# Altium PCB FMC_ADC_250M_16B_4ch_pcb.PcbDoc (part 1 of 8)
Units mm, origin at the board's own origin, x right, y up, seen from the top; angles counter-clockwise.
Board outline 76.75 x 69 mm, 8 copper layers (Top Layer, GND(SMAGND), L3, GND, L5, GND (Plane2), Power, Bottom Layer), stack 1.363 mm thick; 374 components, 427 nets, 2157 pads, 1340 vias.
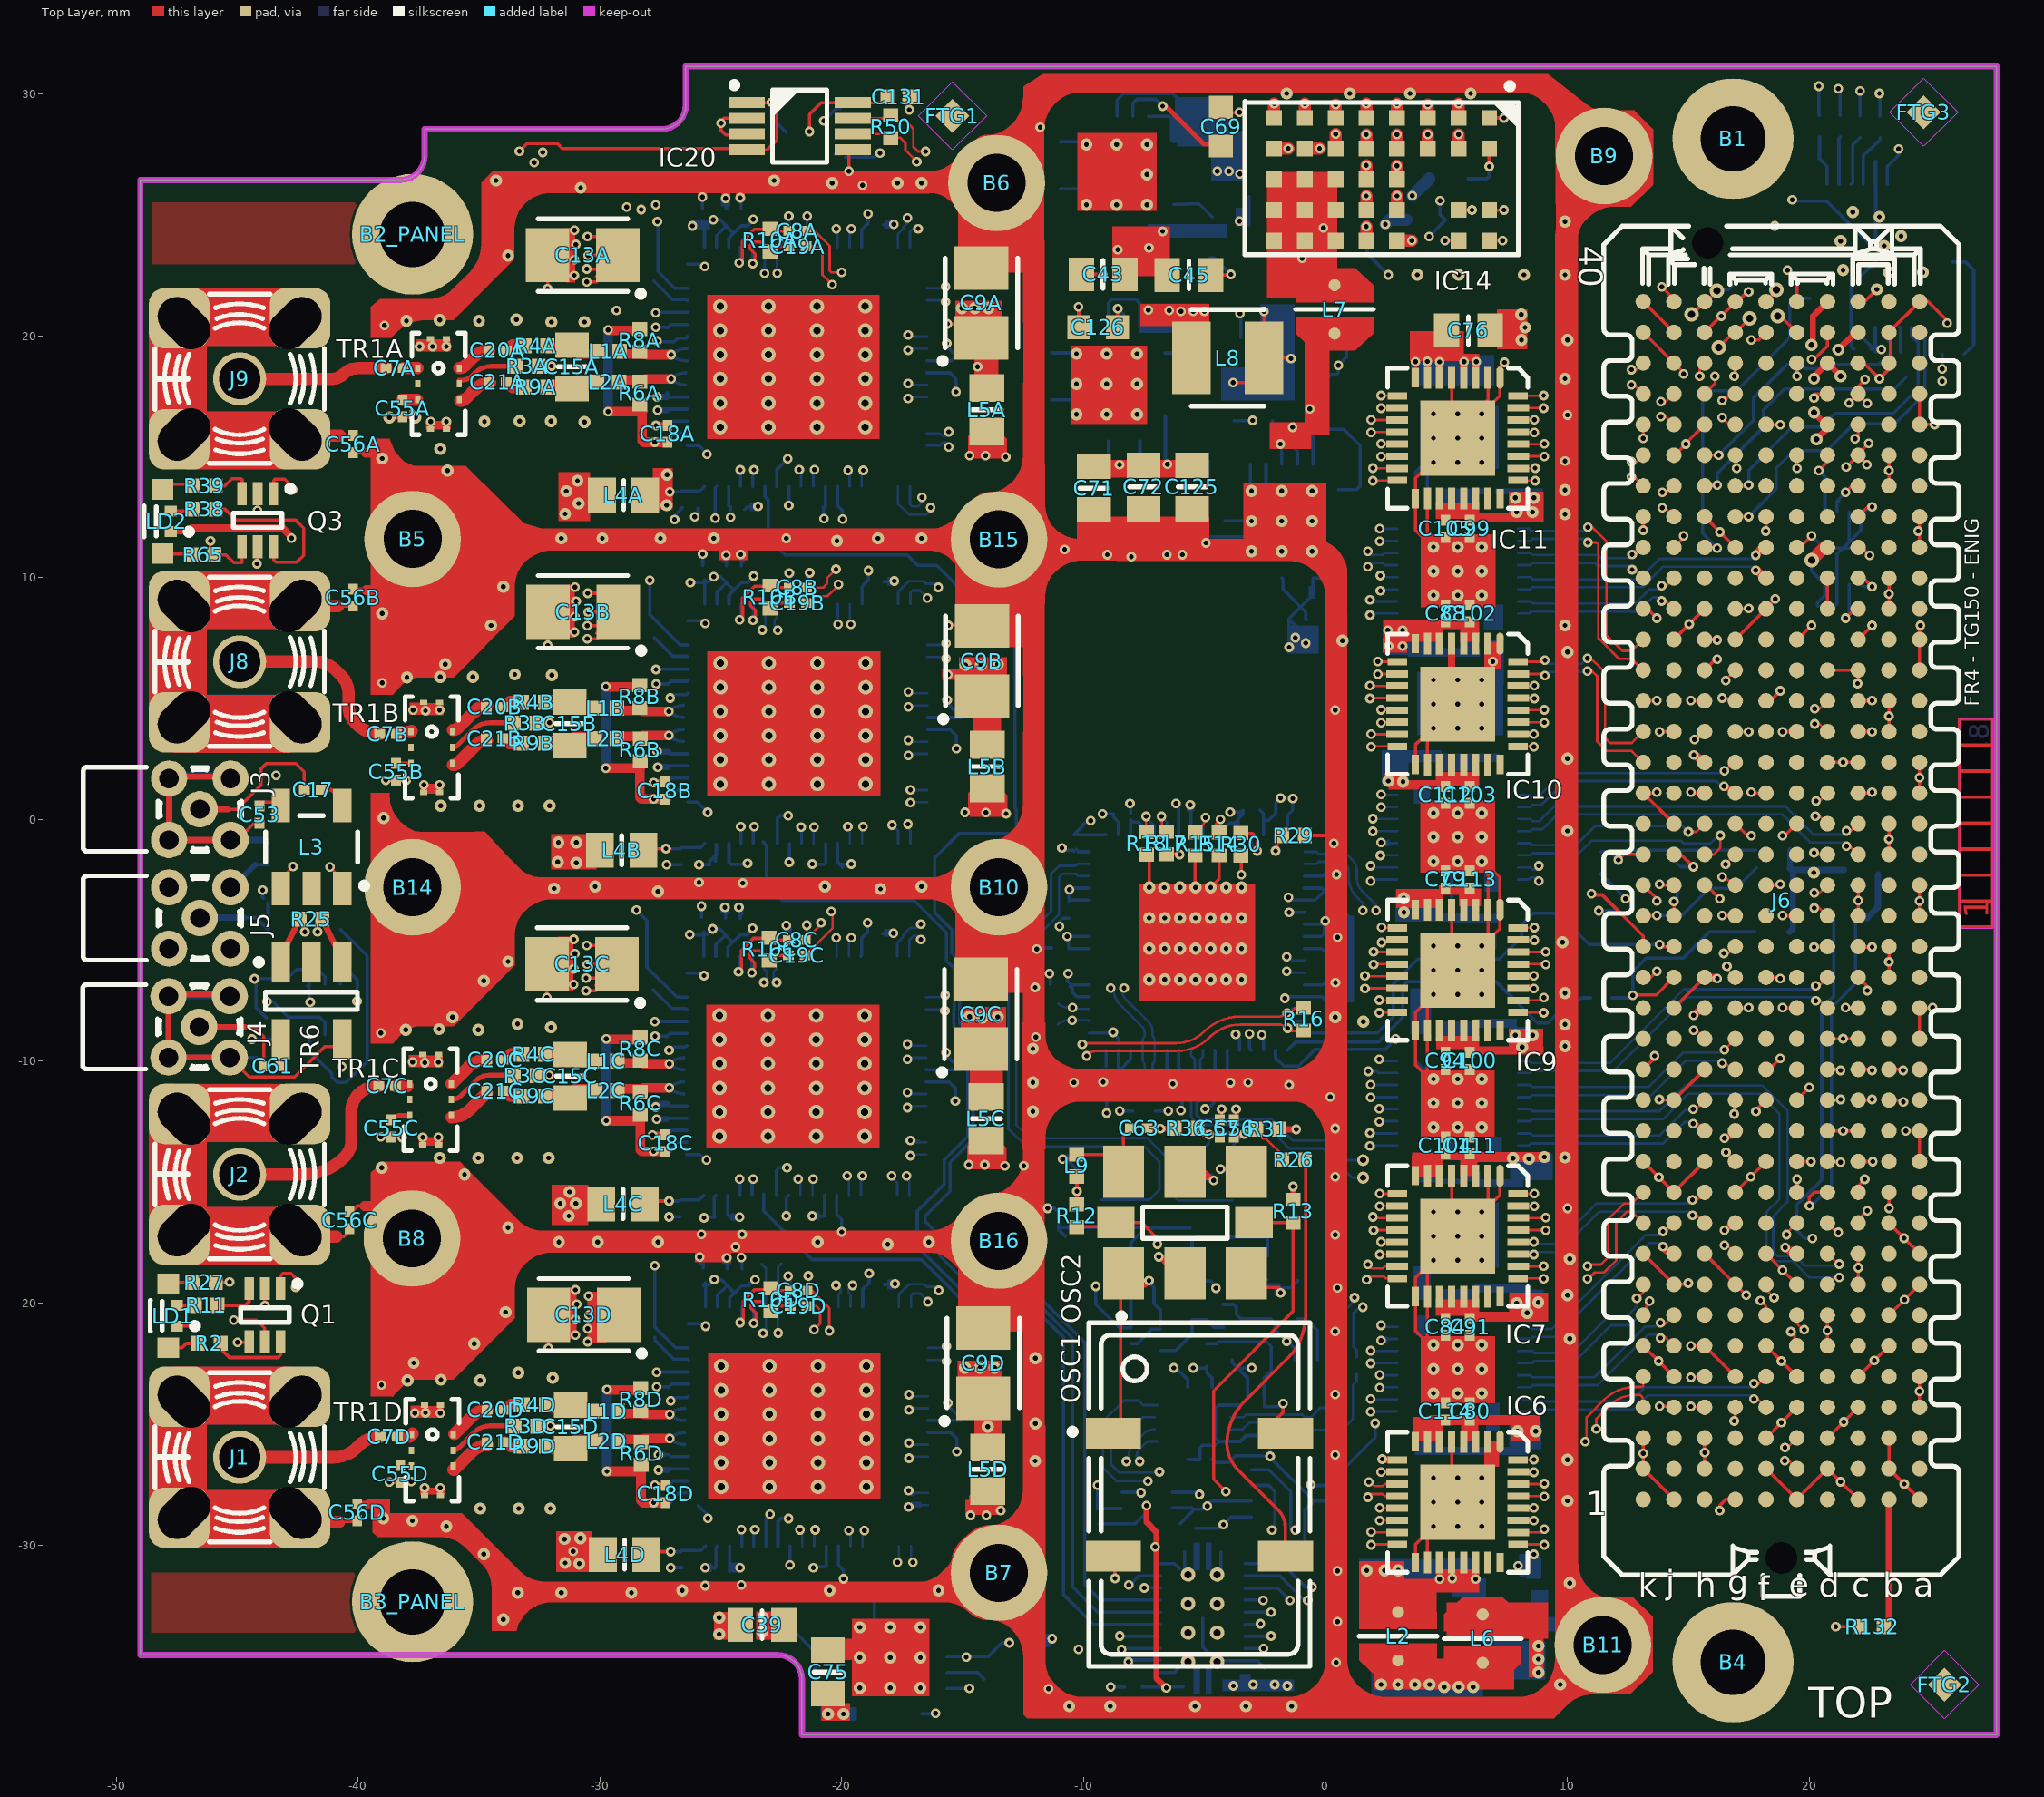
[diagram p0: Top Layer view]
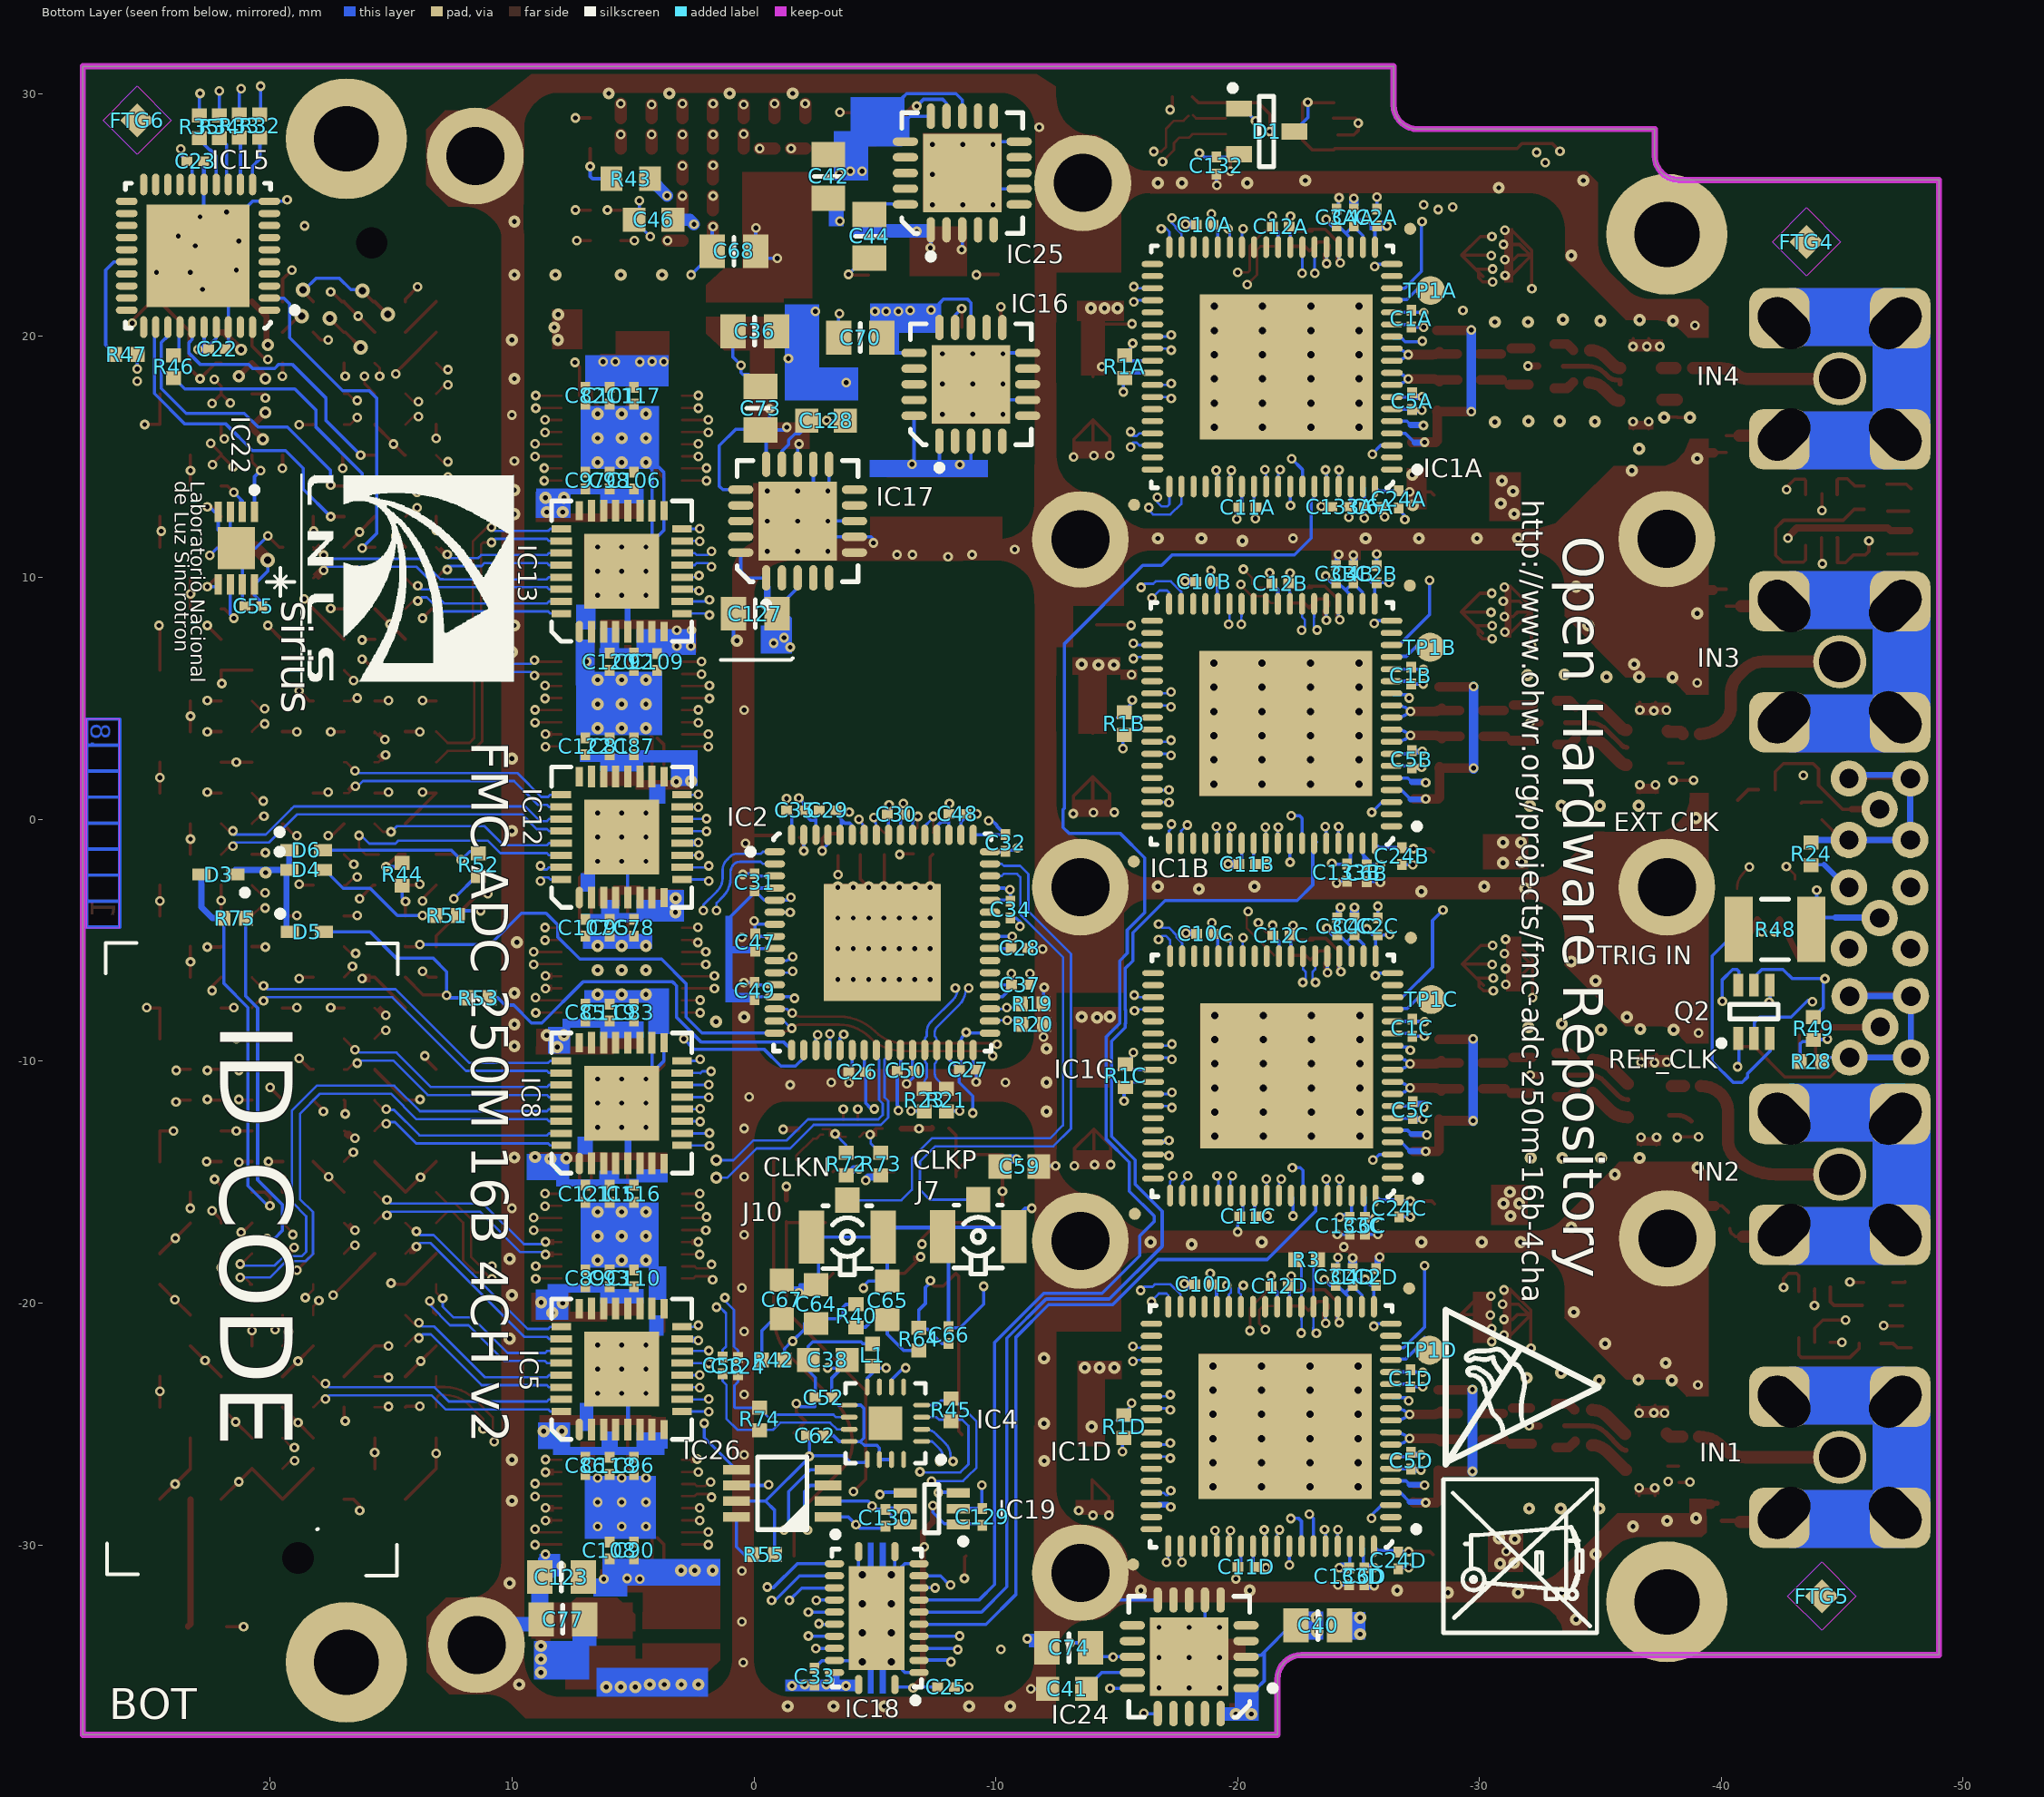
[diagram p1: Bottom Layer view, seen from below]
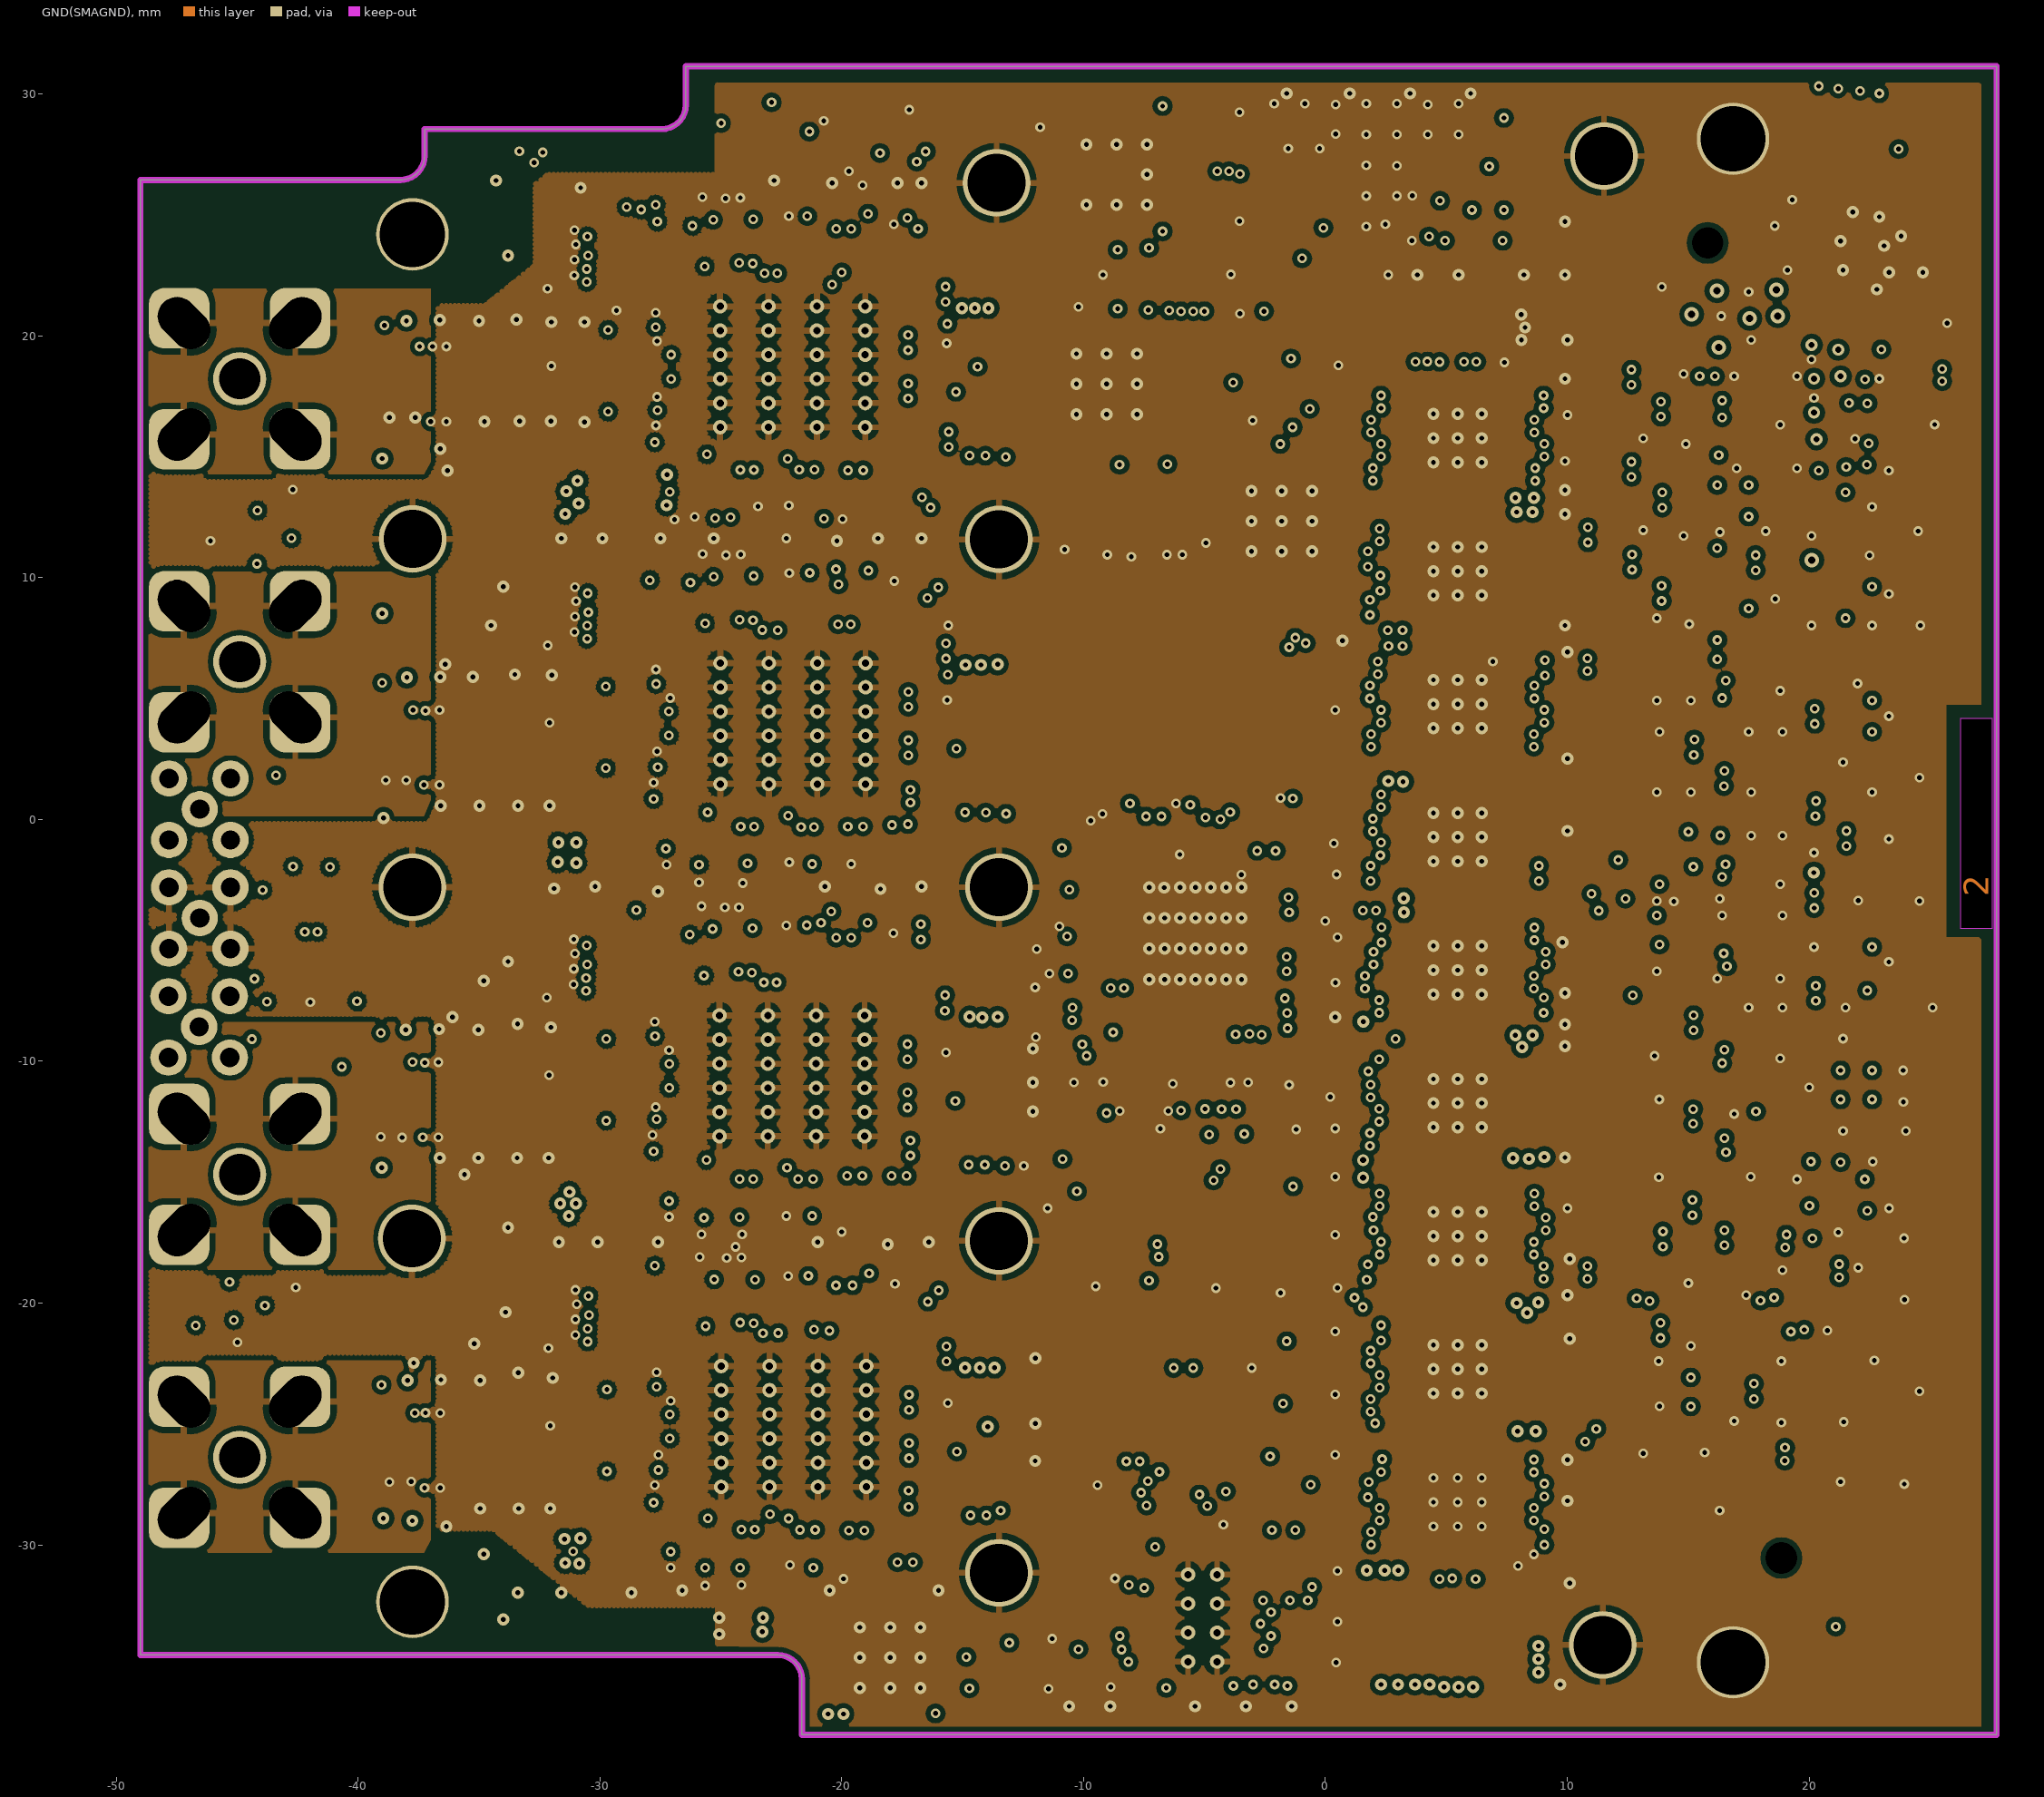
[diagram p2: GND(SMAGND)]